# Altium PCB main_io.PcbDoc (part 3 of 3)
Units mil, origin at the board's own origin, x right, y up, seen from the top; angles counter-clockwise.
Board outline 6000 x 9000 mil, 4 copper layers (Top Layer, GND, PWR, Bottom Layer), stack 25.634 mil thick; 533 components, 267 nets, 1561 pads, 50 vias.
Unrouted connection lines stored in the file: 788.
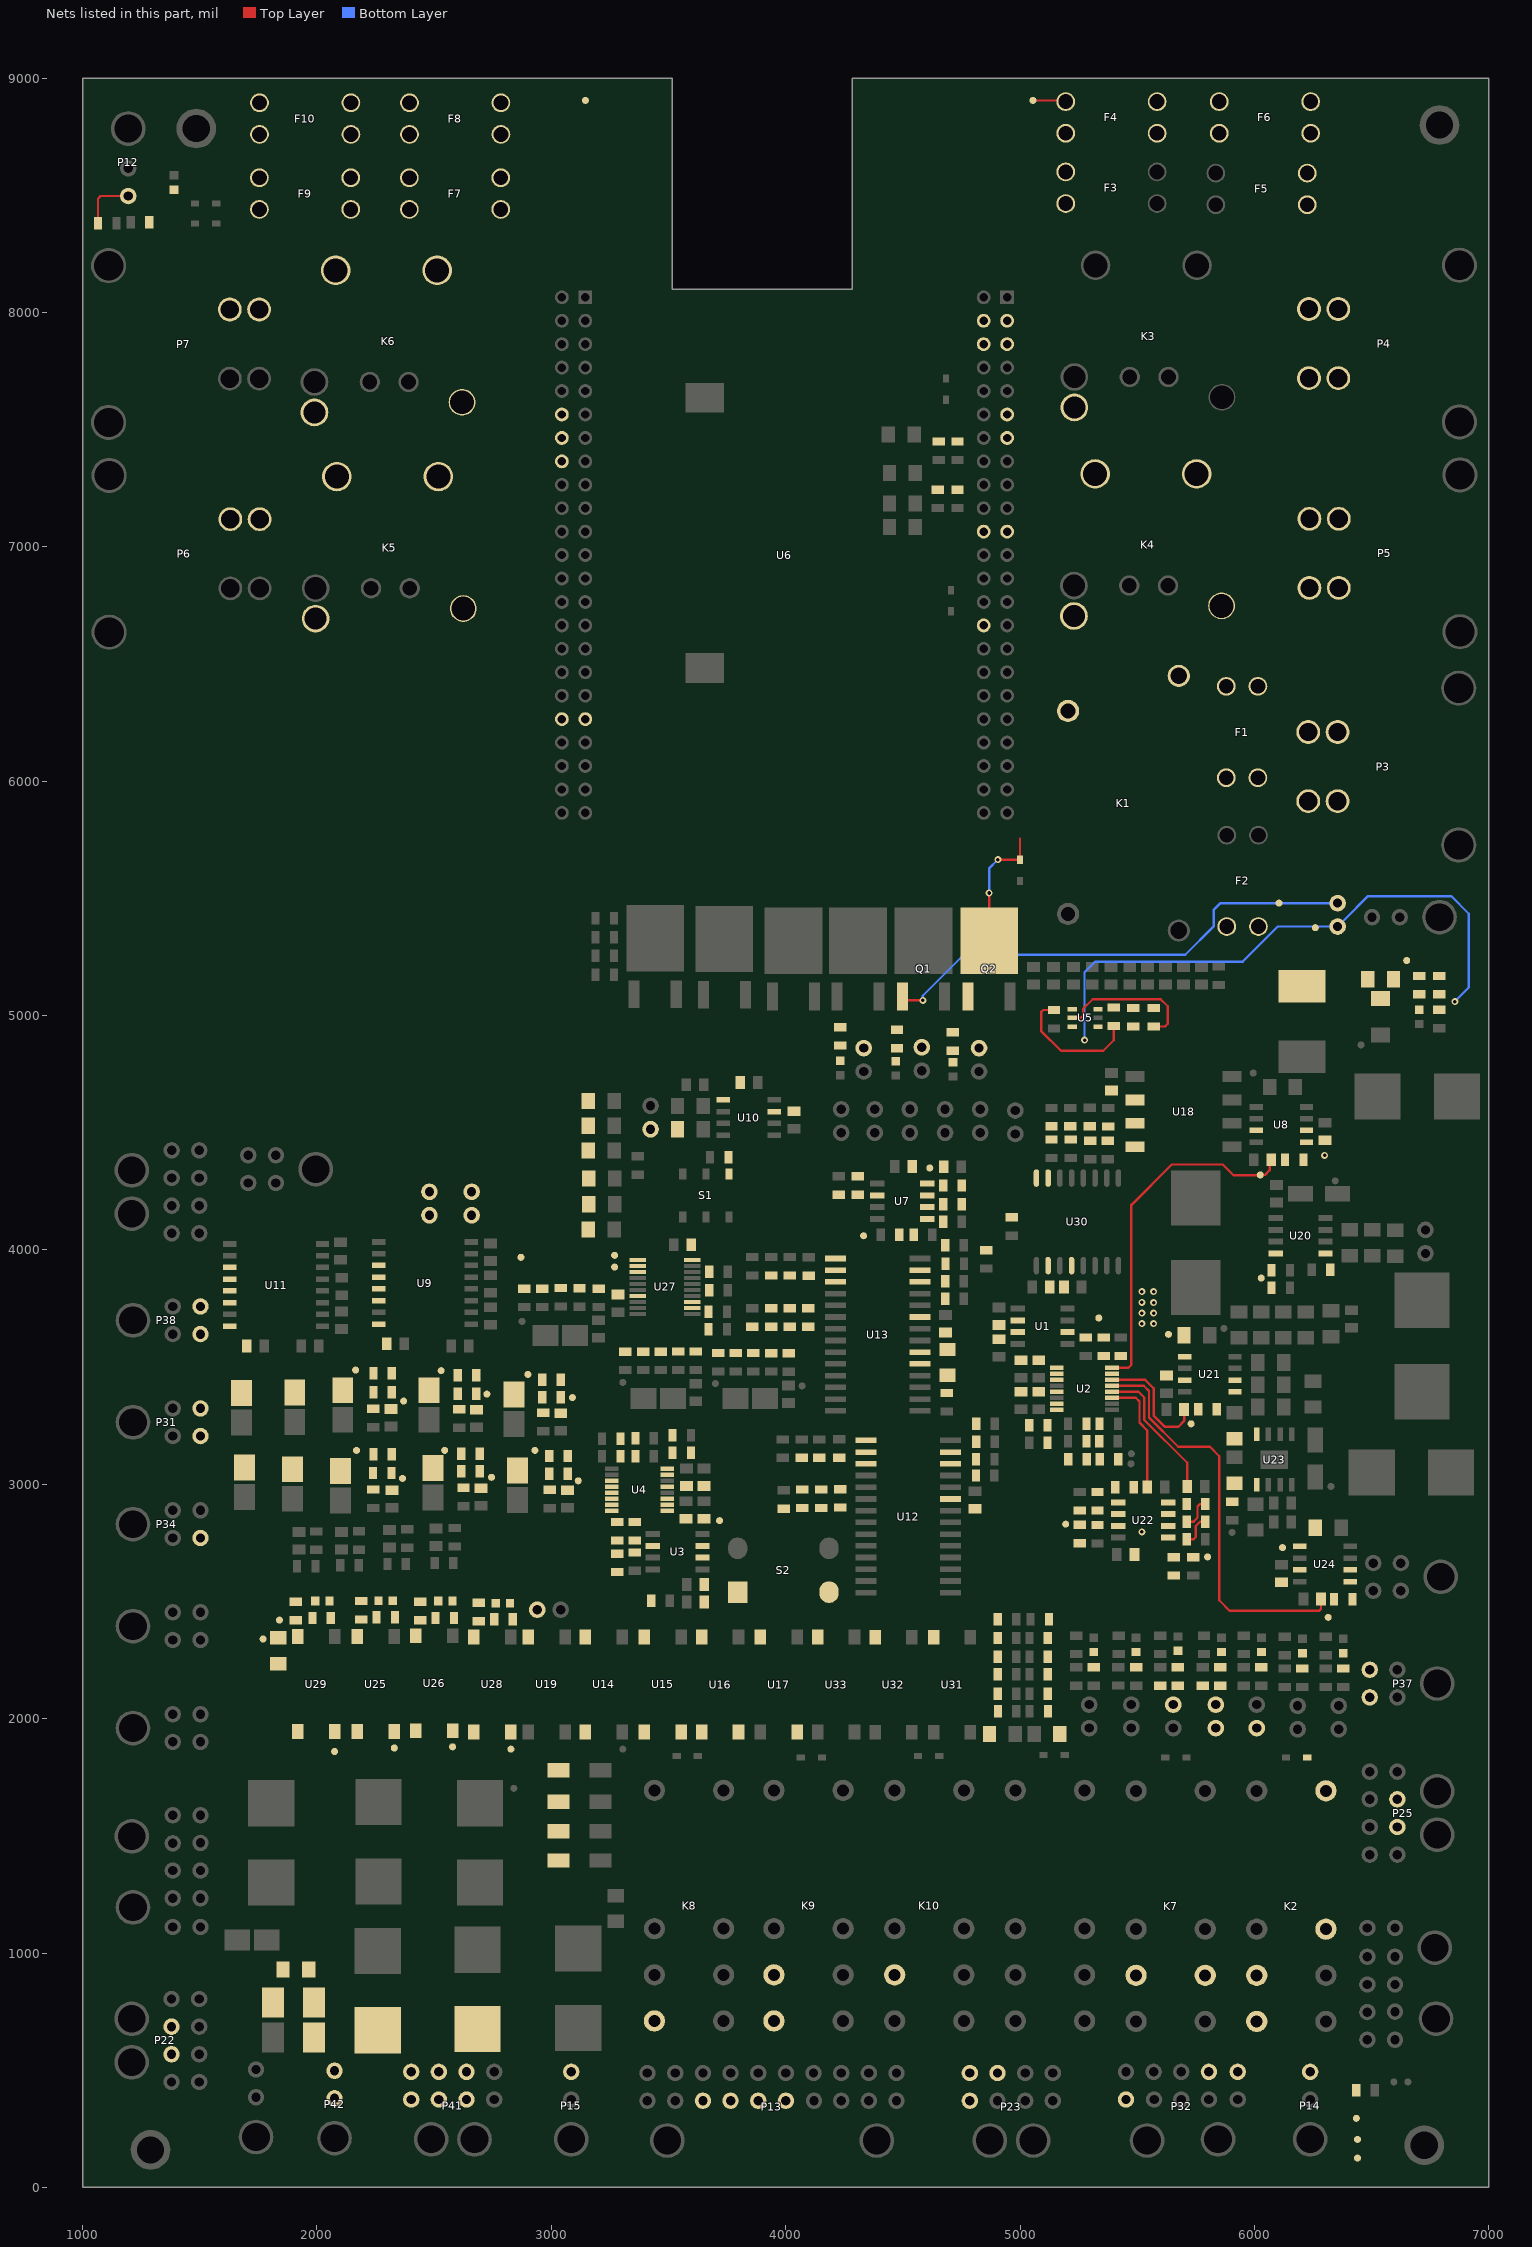
[diagram p5: the nets of this part, all layers, seen from the top]

## Via types
v1: diameter 30, hole 15, Top Layer to Bottom Layer, 46 vias
v2: diameter 50, hole 28, Top Layer to Bottom Layer, 4 vias

## Nets (pads, with @x,y where several pads share a name; then routed paths per layer and width w, separated by ;. In a path a pad name is that pad's centre, name@x,y a point inside that pad or via, vN(x,y) a via of type N, cw(c..) or ccw(c..) an arc to the next point about the centre after c; other vN are vias at no path point) (continued)
NetF3_2: F3.2 F4.2 K3.3 K4.3 P3.2 TP5.1 | length 142.1
  Top Layer w10: TP5.1@5055,8905 5190,8905 F4.2@5195,8900
NetF4_1: F4.1 F6.2 K4.4
NetF5_1: F5.1 P4.1
NetF6_1: F6.1 P5.1
NetF7_1: F7.1 F9.2 K5.4
NetF8_1: F8.1 F10.2 K6.4
NetF9_1: F9.1 P6.1
NetF10_1: F10.1 P7.1
NetK2_4: K2.4 P1.2 Q1.1 | length 2088.1
  Top Layer w10: Q1.1@4498.5,5081.81 4515.31,5065 v1(4585,5065)
  Bottom Layer w10: v1(4585,5065) 4585,5085 4760,5260 5705,5260 5827.28,5382.28 5827.28,5452.28 5855,5480 P1.2@6355,5480
NetK8_4: K8.4 K9.3 P46.2 P47.1 R185.1 R187.1
NetK9_4: K9.4 P47.2 R186.1 R189.1
NetK10_3: K10.3 P48.1
NetL1_1: L1.1 R57.2
NetLED1_1: LED1.1 R23.1
NetLED2_1: LED2.1 R45.1
NetLED3_1: LED3.1 R56.2
NetLED4_1: LED4.1 R142.1
NetLED5_1: LED5.1 R152.1
NetLED6_2: LED6.2 R162.2
NetLED7_2: LED7.2 R165.2
NetLED8_2: LED8.2 R170.2
NetLED9_2: LED9.2 R175.2
NetLED10_1: LED10.1 R185.2
NetLED11_1: LED11.1 R186.2
NetLED12_1: LED12.1 R191.2
NetLED13_1: LED13.1 R192.2
NetLED14_1: LED14.1 R198.2
NetLED15_1: LED15.1 R199.2
NetLED16_1: LED16.1 R200.2
NetP12_2: P12.2 R46.1 R47.1 | length 239.7
  Top Layer w10: R47.1@1065.63,8380 1065.63,8485.63 1077,8497 P12.2@1195,8497
NetP13_5: P13.5 R53.1
NetP13_6: P13.6 R52.1
NetP13_7: P13.7 R51.1
NetP13_8: P13.8 R49.1
NetP14_2: P14.2 R50.1 R54.1
NetP17_1: P17.1 R65.2
NetP23_4: P23.4 R67.2
NetP41_3: P41.3 R137.1
NetP41_7: P41.7 R136.1
NetR2_1: R2.1 R7.1 R9.1 U2.3
NetR3_1: R3.1 R6.1 R8.1 U2.2
NetR4_1: R4.1 R10.2 U2.7
NetR5_1: R5.1 R11.2 U2.8
NetR13_1: R13.1 R18.1 R20.1 U4.3
NetR14_1: R14.1 R17.1 R19.1 U4.2
NetR15_1: R15.1 R21.2 U4.7
NetR16_1: R16.1 R22.2 U4.8
NetR25_1: R25.1 R26.1 R27.2 U5.3
NetR27_1: R27.1 R29.2 U5.4 | length 563.4
  Top Layer w10: R29.2@5145,5023.74 5098.74,5023.74 5090,5015 5090,4934.5 5174.5,4850 5355,4850 5400,4895 R27.1@5400,4955.63
NetR43_1: R43.1 R44.2 U7.2
NetR48_1: R48.1 S1.4
NetR59_1: R59.1 U8.5
NetR60_1: R60.1 R64.2 U7.6
NetR60_2: R60.2 R62.1 U7.7
NetR61_2: R61.2 R63.2 TP13.1 U7.5
NetR70_1: R70.1 R78.2 U12.17
NetR71_1: R71.1 R79.2 U12.16
NetR72_1: R72.1 R80.2 U12.15
NetR73_1: R73.1 R76.1 U12.13
NetR74_1: R74.1 R75.1 U12.12
NetR82_1: R82.1 R90.2 U13.17
NetR83_1: R83.1 R91.2 U13.16
NetR84_1: R84.1 R92.2 U13.15
NetR85_1: R85.1 R88.1 U13.13
NetR86_1: R86.1 R87.1 U13.12
NetR93_2: R93.2 U14.2
NetR98_2: R98.2 U15.2
NetR99_2: R99.2 U16.2
NetR102_2: R102.2 U17.2
NetR113_1: R113.1 R114.1 R115.2
NetR124_1: R124.1 R125.1 R126.2
NetR127_2: R127.2 R133.2 U18.4
NetR130_2: R130.2 R131.2 U18.3
NetR132_1: R132.1 R134.1 R135.2
NetR138_2: R138.2 U19.2
NetR140_2: R140.2 U20.5
NetR141_1: R141.1 R143.2 TP37.1 U20.4
NetR144_1: R144.1 U21.5
NetR145_1: R145.1 R149.2 U22.2
NetR145_2: R145.2 R147.1 U22.1
NetR146_1: R146.1 R148.2 TP39.1 U22.3
NetR151_1: R151.1 R155.2 U23.5
NetR154_2: R154.2 U23.4
NetR156_1: R156.1 U24.5
NetR157_1: R157.1 R161.2 U22.6 | length 137.2
  Top Layer w10: R161.2@5711.26,2766 5741,2766 5750,2775 5750,2821.72 5769.28,2841 R157.1@5790,2841
NetR157_2: R157.2 R159.1 U22.7 | length 137.7
  Top Layer w10: R157.2@5711.26,2841 5741,2841 5757.28,2857.28 5757.28,2904.94 5768.35,2916 R159.1@5790,2916
NetR158_2: R158.2 R160.2 TP44.1 U22.5
NetR164_2: R164.2 U25.1
NetR167_2: R167.2 U26.1
NetR168_2: R168.2 R171.2 U27.13
NetR169_2: R169.2 R172.2 U27.12
NetR174_2: R174.2 U28.1
NetR175_1: R175.1 R176.1 R178.1 U29.4
NetR177_2: R177.2 U29.1
NetR179_2: R179.2 R183.2 U30.16
NetR182_2: R182.2 R184.2 U30.15
NetR193_2: R193.2 U31.2
NetR207_2: R207.2 U32.2
NetR208_2: R208.2 U33.2
NetU14_3: U14.3 U15.4
NetU15_3: U15.3 U16.4
NetU16_3: U16.3 U17.4
PRECHG_HRN: R67.1 R68.2 U13.5
PUMP_POS: F14.1 P42.2
PUMP_RET: K7.3 K7.6 P42.1
RETRO_0_MCU: P32.7 R162.1 R163.1 TP45.1 U6.112 U25.4
RETRO_0_SIG: D24.1 TP46.1 U25.2
RETRO_1_MCU: P32.6 R165.1 R166.1 TP47.1 U6.114 U26.4
RETRO_1_SIG: D25.1 TP49.1 U26.2
RETRO_2_MCU: P32.5 R170.1 R173.1 TP52.1 U6.116 U28.4
RETRO_2_SIG: D26.1 TP53.1 U28.2
RETRO_WHEEL_MCU: R178.2 TP51.1 TP54.1 U6.30 U27.3
RETRO_WHEEL_SIG: D27.1 P34.3 TP55.1 U29.2
RMS_Contactor_SIG: P23.7 P41.6
RMS_Precharge_SIG: P23.8 P41.2
RMS_PWR: C59.1 F13.1 P41.4 P41.8
RTC_RST_n: U13.6 U30.4
SLG_EN: TP48.1 U27.1
SLG_RST: TP50.1 U27.2
TELEM_I_5V: C70.1 R144.2 TP38.1 U2.14 | length 519
  Top Layer w10: U2.14@5393.11,3446.32 5533.68,3446.32 5570,3410 5570,3293.28 5618.28,3245 5675,3245 5700,3270 C70.1@5700,3320
TELEM_I_12V: C81.1 R156.2 TP43.1 U2.13 | length 1760.9
  Top Layer w10: U2.13@5393.11,3420.72 5527.5,3420.72 5550,3398.23 5550,3285 5675,3160 5810,3160 5850,3120 5850,2505 5895,2460 6276,2460 6284.4,2468.4 C81.1@6284.4,2510
TELEM_I_24V: C27.1 R59.2 TP11.1 U2.16 | length 1506.8
  Top Layer w10: U2.16@5393.11,3497.5 5462.5,3497.5 5475,3510 5475,4192.51 5647.49,4365 5865,4365 5911,4319 6024,4319 TP11.1@6025,4320 6045,4320 6064.94,4339.94 6064.94,4377.54 C27.1@6072.4,4385
TELEM_THERM_0: C50.1 R111.2 TP19.1 U4.16
TELEM_THERM_1: C51.1 R112.2 TP20.1 U4.15
TELEM_THERM_2: C49.1 R110.2 TP18.1 U4.14
TELEM_THERM_3: C55.1 R123.2 TP28.1 U4.13
TELEM_THERM_4: C54.1 R122.2 TP27.1 U4.12
TELEM_THERM_5: C53.1 R119.2 TP26.1 U4.11
TELEM_V_5V: C73.1 R147.2 U2.11 | length 502.8
  Top Layer w10: U2.11@5393.11,3369.54 5493.49,3369.54 5510,3353.03 5510,3263.23 5543.23,3230 C73.1@5543.23,2987.73
TELEM_V_12V: C83.1 R159.2 U2.12 | length 602.2
  Top Layer w10: U2.12@5393.11,3395.13 5504.87,3395.13 5530,3370 5530,3275 5713.23,3091.77 C83.1@5713.23,2991
TELEM_V_24V: C29.1 R62.2 TP12.1 U2.15
THERM_OUT_0: D12.1 P31.4 R106.1 R111.1 TH2.2 TP16.1
THERM_OUT_1: D13.1 P31.3 R107.1 R112.1 TH3.2 TP17.1
THERM_OUT_2: D14.1 P37.4 R105.1 R110.1 TH1.2 TP15.1
THERM_OUT_3: D18.1 P37.3 R117.1 R123.1 TH6.2 TP25.1
THERM_OUT_4: D16.1 P38.4 R118.1 R122.1 TH5.2 TP24.1
THERM_OUT_5: D17.1 P38.3 R116.1 R119.1 TH4.2 TP23.1
Therm_PWR: C25.1 F12.2 P15.2
UART2_RXD: P9.2 U6.22 U9.12
UART2_TXD: P9.1 U6.21 U9.11
UART4_RXD: P8.2 U6.11 U11.12
UART4_TXD: P8.1 U6.13 U11.11
UART5_RXD: U6.138
UART5_TXD: U6.137
UART_RXD_RS232_0: D8.2 P22.3 U9.13
UART_RXD_RS232_1: D10.2 P25.3 U11.13
UART_TXD_RS232_0: D7.2 P22.2 U9.14
UART_TXD_RS232_1: D9.2 P25.2 U11.14
V-4P5VRef_1: C3.1 C4.1 TP1.1 U1.6 U2.1
V-4P5VRef_2: C9.1 C10.1 TP2.1 U3.6 U4.1
V-BUS_PROT: F1.2 F2.2 L2.1 R23.2 R57.1 TP3.1 TP8.1
V-POS3.3V: C36.2 C57.1 C84.1 C85.1 C87.2 C88.1 LED6.1 LED7.1 LED8.1 LED9.1 P27.1 R35.2 R36.2 R37.2 R38.2 R45.2 R69.2 R81.2 R163.2 R166.2 R173.2 R176.2 TP7.1 U6.3 U6.4 U10.5 U18.2 U27.7 U27.20 U30.2
V-POS5V: C1.1 C2.1 C5.1 C6.1 C7.1 C8.1 C11.1 C12.1 C23.1 C28.2 C35.1 C37.2 C42.1 C43.1 C44.1 C71.2 C72.1 C82.2 P28.1 P43.2 R1.2 R2.2 R3.2 R4.2 R5.2 R12.2 R13.2 R14.2 R15.2 R16.2 R43.2 R70.2 R71.2 R72.2 R82.2 R83.2 R84.2 R105.2 R106.2 R107.2 R108.2 R116.2 R117.2 R118.2 R120.2 R128.2 R139.2 R142.2 R146.2 R180.2 R181.2 S2.1 TP35.1 U1.2 U1.3 U2.5 U3.2 U3.3 U4.5 U6.5 U6.6 U7.8 U8.3 U8.6 U9.16 U10.3 U11.16 U12.9 U13.9 U21.1 U21.3 U21.6 U22.8 U24.3 U24.6
  other v1: 5519.52,2797.35 5520,3685.32 5569.8,3685.32 5520,3730.12 5569.8,3730.12 5569.8,3775 5520,3776.02 5520,3821.81 5569.8,3821.81 6300,4404
V-POS12V: F12.1 F13.2 P29.1 R109.2 R121.2 R129.2 R150.2 R152.2 R158.1 TP42.1 U24.1
VBATT-1S: F7.2 F8.2 K5.3 K6.3 P4.2 P5.2 TP6.1
VOLTAGE_SIG: K2.3 P1.1 Q2.1 R24.1 R28.2 TP4.1 U5.1 U5.6 | length 2495.4
  Bottom Layer w10: v1(5275.28,4895) 5275.28,5185.28 5320,5230 5949.72,5230 6099.72,5380 P1.1@6355,5380 6383.16,5408.16 6485,5510 6840,5510 6915,5435 6915,5120 v1(6855,5060)
VPOS-24V_RAW: D1.2 D2.2 F1.1 K1.1 K1.3 K2.7 K2.8 P3.1 Q2.4 R24.2 R25.2 R26.2 U5.5 | length 1155.3
  Top Layer w10: Q2.4@4868.15,5320 v1(4868.15,5523.15) ; v1(4905.28,5665.28) D1.2@5000,5665.28 5000,5755 ; U5.5@5222.68,4990.51 5260.51,4990.51 5270,5000 5270,5030 5310,5070 5600,5070 5630,5040 5630,4965 5618.54,4953.54 R26.2@5569.8,4953.54
  Bottom Layer w10: v1(4868.15,5523.15) 4868.15,5628.15 v1(4905.28,5665.28)
pads on no net: K2.2 K2.5 K3.5 K4.5 K5.5 K6.5 K7.2 K7.5 K8.2 K8.5 K8.6 K8.7 K9.2 K9.5 K10.2 K10.5 K11.2 K11.5 K11.6 K11.7 MH1.2 MH2.2 MH3.2 MH4.2 P2.3 P3. P4. P5. P6. P7. P12.3 P13.3 P13.4 P13.14 P13.15 P13.16 P13.18 P13.21 P14.3 P15.3 P16.5 P22.4 P22.9 P23.9 P24.11 P25.4 P25.9 P26.11 P31.5 P32.11 P33.9 P34.5 P35.5 P36.3 P37.5 P38.5 P39.5 P40.5 P41.9 P42.3 S1.1 S1.6 U1.1 U1.5 U1.7 U1.8 U3.1 U3.5 U3.7 U3.8 U4.9 U6.7 U6.8 U6.9 U6.10 U6.12 U6.14 U6.15 U6.16 U6.25 U6.27 U6.28 U6.29 U6.31 U6.32 U6.33 U6.34 U6.35 U6.36 U6.37 U6.38 U6.39 U6.40 U6.41 U6.42 U6.103 U6.104 U6.105 U6.106 U6.107 U6.109 U6.111 U6.113 U6.115 U6.117 U6.118 U6.119 U6.120 U6.121 U6.122 U6.123 U6.124 U6.125 U6.126 U6.127 U6.128 U6.129 U6.130 U6.131 U6.132 U6.133 U6.134 U6.135 U6.136 U6.139 U6.140 U6.141 U6.142 U6.143 U6.144 U6.145 U6.146 U8.4 U9.7 U9.8 U9.9 U9.10 U11.7 U11.8 U11.9 U11.10 U12.11 U12.14 U12.19 U12.20 U12.21 U12.22 U13.11 U13.14 U13.19 U13.20 U18.5 U18.6 U18.7 U18.8 U20.2 U20.3 U21.4 U24.4 U27.4 U27.5 U27.6 U27.8 U27.9 U27.11 U27.14 U27.15 U27.16 U27.17 U27.18 U27.19

## Polygon pours and split planes (outlines as drawn)
NetF2_1 on Bottom Layer (solid, pour order 110): 6120,5905 6105,5920 5455,5920 5459.76,5335.08 5490.08,5305 5497,5305 5720,5305 5745,5330 5745,5540 5840,5635 6125,5635
NetF7_1 on Bottom Layer "Bottom Layer-NetF7_1 2" (solid, pour order 28): 2024.75,7449.75 2005,7430 2005,7100 2055,7050 2865,7050 2910,7095 2910,7404.66 2879.67,7435.51
NetF3_2 on Bottom Layer (solid, pour order 104): 6130,6945 5095,6945 5090,6950 5090,6530 6130,6530 6135,6525
NetF3_2 on Bottom Layer (solid, pour order 102): 6125.4,6145 6492,6145 6492,6930 6477,6945 6130,6945
no net on Bottom Layer (solid, pour order 100): 5215,7005
NetF5_1 on Bottom Layer "Bottom Layer-NetF5_1" (solid, pour order 84): 6422.17,8240 6670,8240 6670,7420 6145,7420 6060,7505 6095,7540 6095,7810
NetF5_1 on Bottom Layer "Bottom Layer-NetF5_1 1" (solid, pour order 82): 6095,8680 6105,8670 6105,8145 6390,8145 6675,7860 6675,8672.56
VBATT-1S on Bottom Layer "Bottom Layer-VBATT-1S" (solid, pour order 80): 6140,7810.29 6140,7505 6430,7215 6430,6960 6425,6955 5995,6955 5945,7005 5945,7844.71
VBATT-1S on Bottom Layer "Bottom Layer-VBATT-1S 1" (solid, pour order 78): 5945,8115 6375,8115 6450,8040 6450,7870 6380,7800 5945,7800 5940,7805
NetF3_1 on Bottom Layer "Bottom Layer-NetF3_1" (solid, pour order 66): 5705,7815 5935,7815 5935,7615 5765,7445 5725,7445 5710,7460
NetF3_1 on Bottom Layer "Bottom Layer-NetF3_1 1" (solid, pour order 64): 5939.11,8655 5325,8655 5325,8590 5085,8255 5260,7442.09 5776.4,7442.09 5933.39,7598.24
NetF4_1 on Bottom Layer "Bottom Layer-NetF4_1" (solid, pour order 58): 5400,8970 5995,8970 6040,8925 6040,8690 6020,8670 5375,8670 5345,8700 5345,8915
NetF3_2 on Bottom Layer "Bottom Layer-NetF3_2" (solid, pour order 56): 4990,7557.22 4990,6530 5480,6530 5390,6631.11 5390,6943.49 5200.95,7114.71 5200.94,7370 5334.88,7567.07 5328.63,7577.22 5170,7577.22
NetF3_2 on Bottom Layer "Bottom Layer-NetF3_2 1" (solid, pour order 54): 5350,8965 4823.59,8965 4725,8866.41 4725,7801.41 5030,7496.4 5286.4,7496.4 5340.24,7550.24 5180,8056.41 5180,8320 5350,8585
NetF7_1 on Bottom Layer "Bottom Layer-NetF7_1" (solid, pour order 32): 2487.26,7090 2490,7087.26 2490,6640 2560,6570 2850,6570 2910,6630 2910,7095
NetF7_1 on Bottom Layer "Bottom Layer-NetF7_1 1" (solid, pour order 30): 2630,8676.45 2883.55,8676.45 2910,8650 2910,7410 2690,7410 2630,7470
NetF7_1 on Bottom Layer "Bottom Layer-NetF7_1 3" (solid, pour order 24): 2115.21,8675.21 2085,8645 2085,8355 2135,8305 2643.93,8305 2680,8392.07 2680,8670 2670,8679.92
NetF8_1 on Bottom Layer "Bottom Layer-NetF8_1" (solid, pour order 22): 1995,7945 2380.53,7540 2655,7540 2700,7585 2700,8227.8 2643.99,8282.72 2035.49,8270.79 1995,8229.5
NetF10_1 on Bottom Layer "Bottom Layer-NetF10_1" (solid, pour order 16): 1950,8685 2085,8685 2080,8680 2080,8280 1940,8280 1930,8270
NetF10_1 on Bottom Layer "Bottom Layer-NetF10_1 1" (solid, pour order 14): 1568.61,8968.61 1565,8965 1565,7875 1645,7795 1830,7795 1989.41,7954.41 1989.41,8980
no net on Bottom Layer "Bottom Layer-No Net" (solid, pour order 12): 1862.5,8665
NetF10_1 on Bottom Layer "Bottom Layer-NetF10_1 2" (solid, pour order 10): 1620,8970 2040,8970 2085,8925 2085,8665 1640,8665 1620,8685
no net on Bottom Layer "Bottom Layer-No Net 1" (solid, pour order 8): 1615,8975
NetF9_1 on Bottom Layer "Bottom Layer-NetF9_1" (solid, pour order 6): 1530,6880 1745,6880 1845,6980 1845,7815 1545.58,7815
NetF9_1 on Bottom Layer "Bottom Layer-NetF9_1 1" (solid, pour order 4): 1537.03,8650 1860,8650 1860,8095 1492.03,8095
no net on Bottom Layer "Bottom Layer-No Net 2" (solid, pour order 2): 1560,8620
NetF9_1 on Bottom Layer "Bottom Layer-NetF9_1 2" (solid, pour order 0): 1560,8650 1410,8650 1030,8270 1030,6975 1125,6880 1560,6880
GND on Top Layer (solid, pour order 278): 6435.63,2705.26 6162.66,2705.26 6145,2687.6 6142.4,2685 6085,2685 6080,2680 6080,2635 6090,2625 6145.89,2625 6155,2634.11 6155,2659 6246,2659 6255,2650 6345,2650 6360,2665 6440,2665 6445,2670 6445,2696.12
V-POS12V on Top Layer (solid, pour order 276): 6296.31,2853.64 6229.15,2853.64 6225.51,2850 6225.51,2795 6196.33,2766 6104.03,2766 6078.03,2740 5882.99,2740 5865,2722.01 5865,2565 5890,2540 6025,2540 6070,2585 6070,2690 6135,2690 6150,2705 6154.39,2709.39 6165.61,2709.39 6279.39,2709.39 6305,2735 6303.56,2846.49
NetC80_2 on Top Layer (solid, pour order 274): 6060,2875 6040,2853.64 5973.64,2853.64 5960,2840 5960,2771 5966,2765 6049,2765 6055,2771 6055,2800 6060,2805 6105,2805 6110,2810 6110,2870 6105,2875
NetC79_1 on Top Layer (solid, pour order 272): 5866.61,2870 5861.61,2865 5861.61,2783.39 5872.43,2772.57 5926.83,2772.57 5940,2785.75 5940,2862.57 5932.57,2870
GND on Top Layer (solid, pour order 234): 6180.12,2950 6245.03,2950 6255,2940.03 6255,2890.86 6244.14,2880 6197.18,2880 6194.97,2880 6182.82,2870 6180,2870
GND on Top Layer (solid, pour order 232): 6135,2802.99 6177.99,2802.99 6185,2810 6185,2813.74 6185,2945.12 6180.12,2950 6145,2950 6130.63,2966.94 6115,2966.94 6108.38,2961.65 6115,2955.72 6115,2819
NetC78_1 on Top Layer (solid, pour order 270): 6045,3035 6040,3030 6040,2963.95 6035,2958.95 6035,2955 5975,2955 5965,2945 5965,2875 5970,2870 6045,2870 6060,2885 6100,2885 6107.39,2885 6110,2887.61 6110,2945 6100,2955 6085,2955 6080,2960 6080,3030 6075,3035
NetR151_1 on Top Layer (solid, pour order 268): 6017.62,3040 5878.74,3040 5865,3026.26 5865,2892.18 5877.18,2880 5940,2880 5950,2890 5950,2951.05 5958.95,2960 6026.05,2960 6030,2963.95 6030,3027.61
TELEM_V_12V on Top Layer (solid, pour order 264): 5740,3000 5740,3032.61 5735,3037.61 5690.06,3037.61 5680,3025 5680,3022.44 5680,2885 5685,2880 5735,2880 5740,2885
V-POS5V on Top Layer (solid, pour order 262): 5662.61,2940 5574.04,2940 5495,2940 5467.91,2912.91 5467.91,2750 5460,2742.09 5460,2655 5465,2650 5466.42,2651.42 5514.02,2651.42 5520,2657.4 5520,2755 5565,2800 5565,2896.31 5575,2906.31 5576.31,2905 5665,2905 5670,2910 5670,2932.61
GND on Top Layer (solid, pour order 260): 5600,3090 5585,3075 5585,2960 5595,2950 5648.7,2950 5660,2961.3 5660,3075 5645,3090
TELEM_V_5V on Top Layer (solid, pour order 258): 5466.22,3030 5466.22,3029.35 5452,3015.13 5452,2958.29 5465,2945.29 5565.29,2945.29 5575,2955 5575,2965 5575,3020 5565,3030
GND on Top Layer (solid, pour order 256): 5766.24,3087.61 5750,3071.38 5750,2965 5760,2955 5816.05,2955 5820,2958.95 5820,2968.95 5820,3077.61 5810,3087.61
NetC60_2 on Top Layer (solid, pour order 206): 6071.05,4295.01 5870,4295.01 5859.97,4305.02 5859.93,4334.99 5854.91,4340 5645,4340 5635,4330 5635,4100 5645,4090 5645,4087.6 5857.32,4087.6 5859.92,4087.6 5875,4100.08 6019.92,4245 6069.55,4245
GND on Top Layer (solid, pour order 246): 5825,3406.81 5815,3416.81 5596.81,3416.81 5590,3410 5590,3290 5600,3280 5650,3280 5660,3290 5660,3350 5670,3360 5815,3360 5825,3370
GND on Top Layer (solid, pour order 254): 6019.88,3150 5875,3150 5870,3145 5870,3066.24 5886.24,3050 6019.88,3050.68
NetR154_2 on Top Layer (solid, pour order 252): 5969.12,3155 5993.41,3179.29 6026.68,3179.29 6030,3182.61 6029.25,3183.36 6029.25,3240.75 6024.25,3245.75 5990.75,3245.75 5975,3230 5875,3230 5865,3220 5865,3165 5875,3155
NetR144_1 on Top Layer (solid, pour order 250): 5955,3410 5950,3415 5840,3415 5830,3405 5830,3364.49 5815,3349.49 5815,3285 5820,3280 5854.92,3280 5860,3285.08 5860,3349.33 5885.67,3375 5950,3375 5955,3380
TELEM_I_5V on Top Layer (solid, pour order 248): 5788.03,3324 5788.03,3349.49 5785,3355 5678.98,3355 5670,3346.02 5670,3263.91 5693.91,3240 5760,3240 5788.03,3268.03 5788.03,3295
V-POS5V on Top Layer (solid, pour order 244): 5915,3420 5950,3420 5955,3425 5955,3459.02 5950,3464.02 5659.27,3464.02 5655,3468.28 5655,3515 5665,3525 5655,3580 5585,3580 5585,3430 5592.91,3422.09 5765,3422.09
GND on Top Layer (solid, pour order 242): 6055,3560 6045,3570 5985,3570 5975,3560 5975,3520 5970,3515 5960,3515 5870,3515 5825,3558.78 5788.78,3558.78 5753.62,3523.62 5745,3515 5671.22,3515 5665,3508.78 5665,3475 5670,3470 5956.89,3470 5975,3451.89 5975,3368.78 5956.22,3350 5882.99,3350 5870,3337.01 5870,3290 5885,3275 6040,3275 6055,3290
GND on Top Layer (solid, pour order 240): 6745,3220 6685,3160 6685,2900.45 6703.27,2882.18 6925,2882.18 6955,2912.18 6955,3175 6911.1,3218.9
no net on Top Layer (solid, pour order 238): 6845,3190.02
NetC79_1 on Top Layer (solid, pour order 236): 6850,3515 6840,3525 6593.39,3525 6577.17,3508.78 6565,3508.78 6565,3285 6530,3250 6418.61,3250 6385,3216.39 6385,2935 6325,2875 6325,2715 6330,2710 6542.43,2710 6670,2837.57 6670,3157.91 6742.09,3230 6830,3230 6850,3250
NetC74_2 on Top Layer (solid, pour order 230): 6232.83,3059.27 6210,3065 6203.27,3059.27 6154.27,3059.27 6140,3045 6140,2970 6145,2965 6233.86,2965
GND on Top Layer (solid, pour order 228): 6300.95,3238.28 6300.95,3244.05 6295,3250 6220,3250 6209.6,3239.6 6209.6,3164.6 6195,3150 6019.88,3150 6014.88,3145 6014.88,3052.4 6017.28,3050 6017.97,3050.68 6082.57,3050.68 6090,3043.26 6090,2965 6096.05,2958.95 6126.73,2958.95 6130.63,2962.85 6130.63,2971.04 6130.63,3050.68 6145,3065 6177.11,3065 6210.53,3105.73 6229.8,3125 6298.45,3125 6303.46,3130.02
"MSTR_SW +" on Top Layer (solid, pour order 226): 6159.34,3552.55 6159.72,3562.59 6152.47,3570.12 6151.54,3570.12 6095,3570.12 6085,3560.12 6085,3184.29 6099.29,3170 6117.5,3170 6130.63,3183.13 6130.63,3261.39 6160,3285
NetC74_1 on Top Layer (solid, pour order 224): 6289.07,3389.21 6290,3388.28 6300.95,3399.23 6300.95,3479.05 6290,3490 6185,3490 6170,3475 6170,3280 6140,3250 6140,3180 6150,3170 6190,3170 6200,3180 6200,3384.21 6205,3389.21
NetC74_2 on Top Layer (solid, pour order 222): 6855,3913.23 6537.4,3913.23 6535,3915.63 6513.74,3894.37 6513.74,3581.86 6306.88,3375 6213.27,3375 6209.37,3371.1 6209.37,3275.63 6226.68,3258.32 6309.41,3258.32 6315,3252.73 6315,3112.93 6297.07,3095 6222.28,3095 6212.28,3085 6210,3082.72 6210,2985.17 6209.37,2984.54 6233.91,2960 6340,2960 6365,2985 6365,3220 6410,3265 6515,3265 6545,3295 6545,3500 6585,3540 6845,3540 6845,3540.55 6860,3555.55 6860,3900
"MSTR_SW +" on Top Layer (solid, pour order 220): 6640,4125 6770,4125 6775,4120 6775,4050 6770,4045 6640,4045
V-POS5V on Top Layer (solid, pour order 218): 5735,3671.38 5721.38,3685 5657.6,3685 5610,3732.6 5610,3853.78 5598.78,3865 5510,3865 5490.04,3845.04 5490.04,3674.96 5507.76,3657.24 5552.76,3657.24 5585,3625 5585,3575 5635,3525 5735,3525 5745,3535 5745,3661.38 5741.38,3665
GND on Top Layer (solid, pour order 216): 6134.72,3880 6170,3880 6180,3890 6180,3930.55 6189.45,3940 6201.22,3940 6225.51,3964.29 6225.51,4015 6220.51,4020 6135,4020 6130,4015 6130,3884.72
NetC64_1 on Top Layer (solid, pour order 214): 6137.52,3875 6130,3867.48 6130,3803.35 6134.49,3798.86 6218.66,3798.86 6230,3810.2 6230,3860 6215,3875
NetC64_1 on Top Layer (solid, pour order 212): 5660,3985 5630,3955 5625.2,3955 5625.2,3733.78 5668.98,3690 5740,3690 5760,3670 5760,3580.63 5775.63,3565 5835,3565 5861.61,3538.39 5880,3520 5960,3520 5960,3521.69 5970,3531.69 5970,3580 6465,3580 6490,3605 6490,3660 6460,3690 5880.31,3690 5865,3705.32 5865,3981.61 5861.61,3985
GND on Top Layer (solid, pour order 210): 6505,3926.26 6505,3760 6440.31,3695.32 5885,3695.32 5885,3765 5905,3785 6311.22,3785 6370,3843.78 6370.12,3936.42 6379.81,3936.62 6501.98,3933.8
NetR140_2 on Top Layer (solid, pour order 208): 6270,4005 6270,3945 6280,3935 6280,3885 6285,3880 6290,3875 6348.82,3875 6358.03,3884.21 6358.03,3935.71 6338.74,3955 6338.74,4001.26 6335,4005
NetR141_1 on Top Layer (solid, pour order 204): 6115.09,4005 5995,4005 5985,3995 5985,3968.11 5985,3830 5986.26,3830 6006.26,3810 6107.76,3810 6120,3822.24 6123.23,3996.71
NetC60_1 on Top Layer (solid, pour order 202): 6055,4119.88 6064.88,4110 6125.12,4110 6130.63,4115.51 6130.63,4229.37 6125,4235 6062.4,4235 6055,4227.6
NetC60_2 on Top Layer (solid, pour order 200): 6055,4253.23 6055,4300 6075,4320 6145,4320 6155,4330 6165,4330 6388.82,4330 6405,4313.82 6418.82,4300 6418.82,4159.17 6407.87,4148.23 6363.23,4148.23 6335,4120 6270,4120 6265,4125 6265,4295 6140,4295 6130,4285 6130,4250.71 6124.29,4245 6063.23,4245
"MSTR_SW +" on Top Layer (solid, pour order 198): 6269.88,4110 6259.88,4100 6260,4070.63 6265.63,4065 6274.37,4065 6353.66,4065 6373.66,4045 6640,4045 6650,4055 6650,4115 6640,4125 6360,4125 6345,4110
GND on Top Layer (solid, pour order 196): 6149.17,4295 6250,4295 6255,4290 6255,4060 6343.03,4060 6370.12,4032.91 6385.79,4017.24 6642.76,4017.24 6650,4010 6650,3940 6648.19,3940 6635,3926.81 6376.1,3926.81 6370,3932.91 6350,3952.91 6350,4000 6340,4010 6145,4010 6135,4020 6139.83,4285.84
GND on Top Layer (solid, pour order 194): 6029.25,4415 6029.25,4364.25 6025,4360 5916.21,4360 5837.32,4392.68 5765,4465 5765,4592.4 5980,4592.4 5980,4555 5975,4555 5960,4570 5855,4570 5855,4415
V-POS5V on Top Layer (solid, pour order 192): 6265,4449.94 6265,4385 6275,4375 6322.95,4375 6340.08,4392.13 6340.08,4450.02
TELEM_I_24V on Top Layer (solid, pour order 190): 6045,4425 6150,4425 6157.4,4417.6 6157.4,4347.4 6135,4325 6060,4325 6040,4345 6040,4420
NetR59_1 on Top Layer (solid, pour order 188): 6185,4480 6250,4480 6258.9,4471.1 6259.88,4471.1 6259.88,4360.47 6249.41,4350 6185.59,4350 6175,4360.59 6175,4470
V-POS5V on Top Layer (solid, pour order 186): 5972.64,4527.36 6250,4527.36 6255,4522.36 6255,4510.01 6265.01,4499.99 6335.27,4499.89 6340.08,4495 6340.08,4445.08 6335,4440 6270,4440 6265,4445 6265,4480 5985,4480 5970,4495 5970,4524.72
GND on Top Layer (solid, pour order 184): 6000,4585 5980,4585 5970,4575 5970,4545 5980,4535 6260,4535 6265,4530 6265,4515 6275,4505 6335.08,4505 6345,4514.92 6345,4575 6340,4580
VPOS-24V_RAW on Top Layer (solid, pour order 182): 5455,4985 5440,4970 5440,4930 5442,4930 5452,4920 5595,4920 5605,4930 5605,4975 5595,4985
GND on Top Layer (solid, pour order 180): 4324.37,5145 4300,5120.63 4300,5020 4315,5005 4425,5005 4440,5020 4435,5025 4435,5140 4430,5145
GND on Top Layer (solid, pour order 178): 4048.27,5150 4030,5131.73 4030,5015 4035,5010 4150,5010 4160,5020 4155.28,5024.72 4155.28,5140 4155,5140 4145,5150
GND on Top Layer (solid, pour order 176): 3770,5155 3755,5140 3740,5140 3740,5025 3755,5010 3859.37,5010 3865,5015.63 3865,5145 3855,5155
GND on Top Layer (solid, pour order 174): 3445,5155 3430,5140 3430,5033.27 3443.27,5020 3562.72,5020 3565,5022.28 3565,5042.28 3565,5155
NetR27_1 on Top Layer (solid, pour order 170): 5105,5060 5105,5000.51 5115.51,4990 5175,4990 5195,5010 5245.63,5010 5255.63,5020 5255,5020.63 5255,5055 5245,5065 5110,5065
VOLTAGE_SIG on Top Layer (solid, pour order 160): 5215,4970 5195,4970 5187.6,4958.54 5187.6,4884.51 5207.11,4865 5345,4865 5360,4880 5360,4960.47 5350.47,4970
NetR25_1 on Top Layer (solid, pour order 168): 5600,5060 5615,5045 5615,5020 5605,5010 5595,5010 5310.63,5010 5300.63,5020 5300.63,5050.63 5310,5060
"MSTR_SW +" on Top Layer (solid, pour order 166): 6052.6,4592.4 5702.6,4592.4 5653.7,4641.3 5653.7,5028.7 5706.81,5081.81 5958.7,5081.81 6080,4971.87 6080,4750 6089.92,4740.08 6095,4740.08 6097.17,4641.3 6075.43,4619.57
GND on Top Layer (solid, pour order 164): 6745,4970 6745,4565 6795,4515 6945,4515 6970,4540 6970,4960 6950,4980 6755,4980
NetC26_1 on Top Layer (solid, pour order 162): 6095,4940 6095,4910 6095,4748.13 6123.39,4719.75 6123.39,4606.34 6144.72,4585 6353.03,4585 6393.03,4545 6630,4545 6640,4555 6640,4940 6605,4975 6175.12,4975 6130,4975
VOLTAGE_SIG on Top Layer (solid, pour order 158): 6240,5430 6225,5415 6225,5355 6253.23,5326.77 6426.77,5326.77 6445,5345 6440,5350 6440,5415 6425,5430 6365,5430
GND on Top Layer (solid, pour order 132): 5885,5160 5885,5105 5022,5105 5020,5107 5020,5160
GND on Top Layer (solid, pour order 154): 6670,4980 6900,4980 6905,4975 6905,4920 6890,4905 6665,4905 6660,4910 6660,4970
no net on Top Layer (solid, pour order 152): 6695,5530
VPOS-24V_RAW on Top Layer (solid, pour order 150): 6755,5140 6890,5140 6915,5165 6915,5555 6650,5820 6135,5820 6135,5576.73 6176.73,5535 6203.27,5535 6660,5535 6664.15,5344.07 6704.08,5305 6751.39,5259.1
NetLED1_1 on Top Layer (solid, pour order 148): 6655,5115 6655,5000 6654.49,4999.49 6654.49,4996.02 6655.51,4995 6740,4995 6740,5110 6730,5120 6660,5120
VOLTAGE_SIG on Top Layer (solid, pour order 146): 6755,5110 6755,4995 6760,4990.51 6870.51,4990.51 6890,5010 6890,5096.93 6871.93,5115 6760,5115
NetL1_1 on Top Layer (solid, pour order 144): 6565,5200 6630,5200 6630,5040 6617.91,5027.91 6494.09,5027.91 6482,5040 6482,5097 6495,5110 6540,5110 6540,5175
V-BUS_PROT on Top Layer (solid, pour order 142): 6495.71,5265 6720,5265 6740,5245 6740,5132.6 6737.6,5135 6640,5135 6640,5195 6625,5210 6495,5210
V-BUS_PROT on Top Layer (solid, pour order 140): 6535,5115 6535,5225.71 6495.71,5265 6280,5265 6280,5115
V-BUS_PROT on Top Layer (solid, pour order 138): 6035,5027.91 6390,5027.91 6395,5032.91 6395,5167.4 6277.4,5285 6240,5322.4 6122.4,5440 5809.88,5440 5809.88,5330.12 5870,5270 5992.09,5147.91 5992.09,5070.83
GND on Top Layer (solid, pour order 136): 4915,5160 4825,5160 4825,5015 4915,5015
GND on Top Layer (solid, pour order 134): 5030,5160 4915,5160 4915,5015 5000,5015 5000,5105 5022,5105 5030,5113
NetC13_1 on Top Layer (solid, pour order 128): 5020,5239.02 5020,5169.37 5884.37,5169.37 5885,5170 5885,5244.02
GND on Top Layer (solid, pour order 122): 4020,7770 4020,7595 3338.27,7595 3311.62,7595 3311.54,7780
"MSTR_SW +" on Top Layer (solid, pour order 120): 4672.27,6755 4750,6755 4778.39,6726.61 4778.39,6638.39 4745,6605 4669.89,6605 4653.73,6621.34 4655.14,6748.02
VBATT-1S on Top Layer "Top Layer-VBATT-1S 4" (solid, pour order 36): 1880,7795 2120,7795 2165,7750 2165,6607.17 2087.83,6530 1920,6530 1845,6605 1845,7725
VPOS-24V_RAW on Top Layer (solid, pour order 118): 5210,5850 5210,5664.72 5175.28,5630 4995,5630 5025,5660 5025,5880
VPOS-24V_RAW on Top Layer (solid, pour order 114): 5065,5780 5060,5785 4895,5785 4871.05,5761.05 4871.05,5656.61 4897.66,5630 5060,5630 5069.67,5639.99
V-BUS_PROT on Top Layer (solid, pour order 112): 5860.44,6105 6065,6105 6125,6045 6125,5340 6065,5280 5844.69,5280 5795.62,5329.68 5804.68,6049.94
VPOS-24V_RAW on Top Layer (solid, pour order 108): 5020,6515 6515,6515 6655,6375 6655,5793.4 6140,5800 6140,6095 5785,6095 5785,5795 5109.57,5797.02 5105,5800 5025,5880
"MSTR_SW +" on Top Layer "Top Layer-MSTR_SW +" (solid, pour order 94): 1445,8495 1500,8495 1510,8485 1510,8347.07 1505,8335 1445,8335 1435,8345 1435,8485
BMS_MPO1 on Top Layer "Top Layer-BMS_MPO1" (solid, pour order 98): 1155,8685 1410,8685 1430,8665 1430,8570 1170,8570 1130,8610 1130,8660
NetLED3_1 on Top Layer "Top Layer-NetLED3_1" (solid, pour order 96): 1300,8560 1410,8560 1415,8555 1415,8350 1385,8320 1280,8320 1245,8355 1245,8525 1280,8560
NetF8_1 on Top Layer "Top Layer-NetF8_1" (solid, pour order 18): 2560,8950 1885,8950 1865,8930 1865,8110 1900,8075 2375,8075 2560,8075 2590,8105 2590,8920
"MSTR_SW +" on Top Layer "Top Layer-MSTR_SW + 1" (solid, pour order 92): 1125,8420 1225,8420 1235,8410 1235,8340 1230,8335 1118.27,8335 1113.27,8340 1113.27,8408.27
VBATT-1S on Top Layer "Top Layer-VBATT-1S" (solid, pour order 52): 4980.12,8130 4995.12,8115 6380,8115 6450,8045 6450,7860 6375,7785 4979.99,7785
NetF6_1 on Top Layer "Top Layer-NetF6_1" (solid, pour order 90): 6605,8645 6955,8645 6970,8645 6970,6515 6130,6515 6050,6595 6050,7355
NetF6_1 on Top Layer "Top Layer-NetF6_1 1" (solid, pour order 88): 6100,8960 6105,8965 6640,8965 6640,8315 6635,8310 6100,8315
no net on Top Layer "Top Layer-No Net" (solid, pour order 86): 6100,8960
NetF4_1 on Top Layer "Top Layer-NetF4_1" (solid, pour order 76): 5702.72,8965 6085,8965 6085,8160 6070,8145 5890,8325 5695,8325
NetF4_1 on Top Layer "Top Layer-NetF4_1 1" (solid, pour order 74): 5935,8305 6665,8305 6665,7375 5970,7375 5935,7340
no net on Top Layer "Top Layer-No Net 1" (solid, pour order 72): 5880,8360
NetF4_1 on Top Layer "Top Layer-NetF4_1 2" (solid, pour order 70): 5245,7392.39 5245,7120 5290,7075 5580,7075 5750,6905 5750,6615 6035,6615 6035,7574.75 5414.16,7564.4
no net on Top Layer "Top Layer-No Net 2" (solid, pour order 68): 5095,7430
no net on Top Layer "Top Layer-No Net 3" (solid, pour order 60): 5070,8660
no net on Top Layer "Top Layer-No Net 4" (solid, pour order 48): 4940,8145
VBATT-1S on Top Layer "Top Layer-VBATT-1S 1" (solid, pour order 44): 2870,8950 5025,8950 5025,7790 4920,7790 2855.5,7790
VBATT-1S on Top Layer "Top Layer-VBATT-1S 2" (solid, pour order 40): 2115,7460 2130,7475 2870,7475 2870,6980 2740,6850 2700,6890 2130,6890
VBATT-1S on Top Layer "Top Layer-VBATT-1S 3" (solid, pour order 38): 2445,8950 2445,7049.33 2674.33,6820 2840,6820 2900,6880 2900,8920 2870,8950
no net on Top Layer "Top Layer-No Net 5" (solid, pour order 20): 2475,7445
GND on GND (split plane): 6979.9,20.1 1020.1,20.1 1020.1,8979.9 3494.9,8979.9 3494.9,8100 3495.29,8096.08 3496.43,8092.31 3498.29,8088.83 3500.79,8085.79 3503.83,8083.29 3507.31,8081.43 3511.08,8080.29 3515,8079.9 4285,8079.9 4288.92,8080.29 4292.69,8081.43 4296.16,8083.29 4299.21,8085.79 4301.71,8088.83 4303.57,8092.31 4304.71,8096.08 4305.1,8100 4305.1,8979.9 6979.9,8979.9
V-POS5V on PWR (split plane): 6979.9,20.1 1020.1,20.1 1020.1,8979.9 3494.9,8979.9 3494.9,8100 3495.29,8096.08 3496.43,8092.31 3498.29,8088.83 3500.79,8085.79 3503.83,8083.29 3507.31,8081.43 3511.08,8080.29 3515,8079.9 4285,8079.9 4288.92,8080.29 4292.69,8081.43 4296.16,8083.29 4299.21,8085.79 4301.71,8088.83 4303.57,8092.31 4304.71,8096.08 4305.1,8100 4305.1,8979.9 6979.9,8979.9

## Other copper
Top Layer:
  pour cut-out: 3486.73,9075 4325,9075 4325,8920 4325,8853.94 4325,8080 4290,8045 3505,8045 3474.39,8075.61
  pour cut-out: 2070,8680
Bottom Layer:
  pour cut-out: 1560,8975 1680,8975 1680,8655 1660,8660 1645,8650 1560,8650

## Silkscreen, mask and mechanical layers (free items; w line width, h text height)
Top Overlay:
  text "PUMP" at 2840,2545 h30
  text "LIM" at 5595,1980 h30 r90
  text "BMS" at 5772.73,1975 h30 r90
  text "ESTOP" at 5410,1970 h30 r90
  text "IMD" at 5945,1970 h30 r90
  text "INRT" at 6125,1970 h30 r90
  text "MCU" at 6300,1965 h30 r90
  text "MSTR" at 5234.21,1895 h30 r90

## Text inside footprints (layer, text, board x,y; h text height)
BT2: Top Overlay "+" at 3545,6445 h60 r90; Top Overlay "-" at 3540,7625 h60 r90
S1: Top Overlay "ON" at 3824.95,4317.48 h60 r90; Top Overlay "OFF" at 3529.95,4312.48 h60 r90
U6: Top Overlay "2" at 4860,8135 h40 r90; Top Overlay "1" at 4960,8135 h40 r90; Top Overlay "46" at 4855,5755 h40 r90; Top Overlay "45" at 4955,5755 h40 r90; Top Overlay "45" at 3155,5755 h40 r90; Top Overlay "46" at 3055,5755 h40 r90; Top Overlay "1" at 3160,8135 h40 r90; Top Overlay "2" at 3060,8135 h40 r90
U12: Top Overlay "*" at 4725.83,2518.61 h50 r180; Mechanical 13 "*" at 4668.33,2563.11 h50 r180
U13: Top Overlay "*" at 4595.63,3294.78 h50 r180; Mechanical 13 "*" at 4538.13,3339.28 h50 r180
U18: Top Overlay "o" at 5775.08,4499.84 h60 r270